# Altium PCB HD68_BNC_Breakout.PCBDOC (continued)
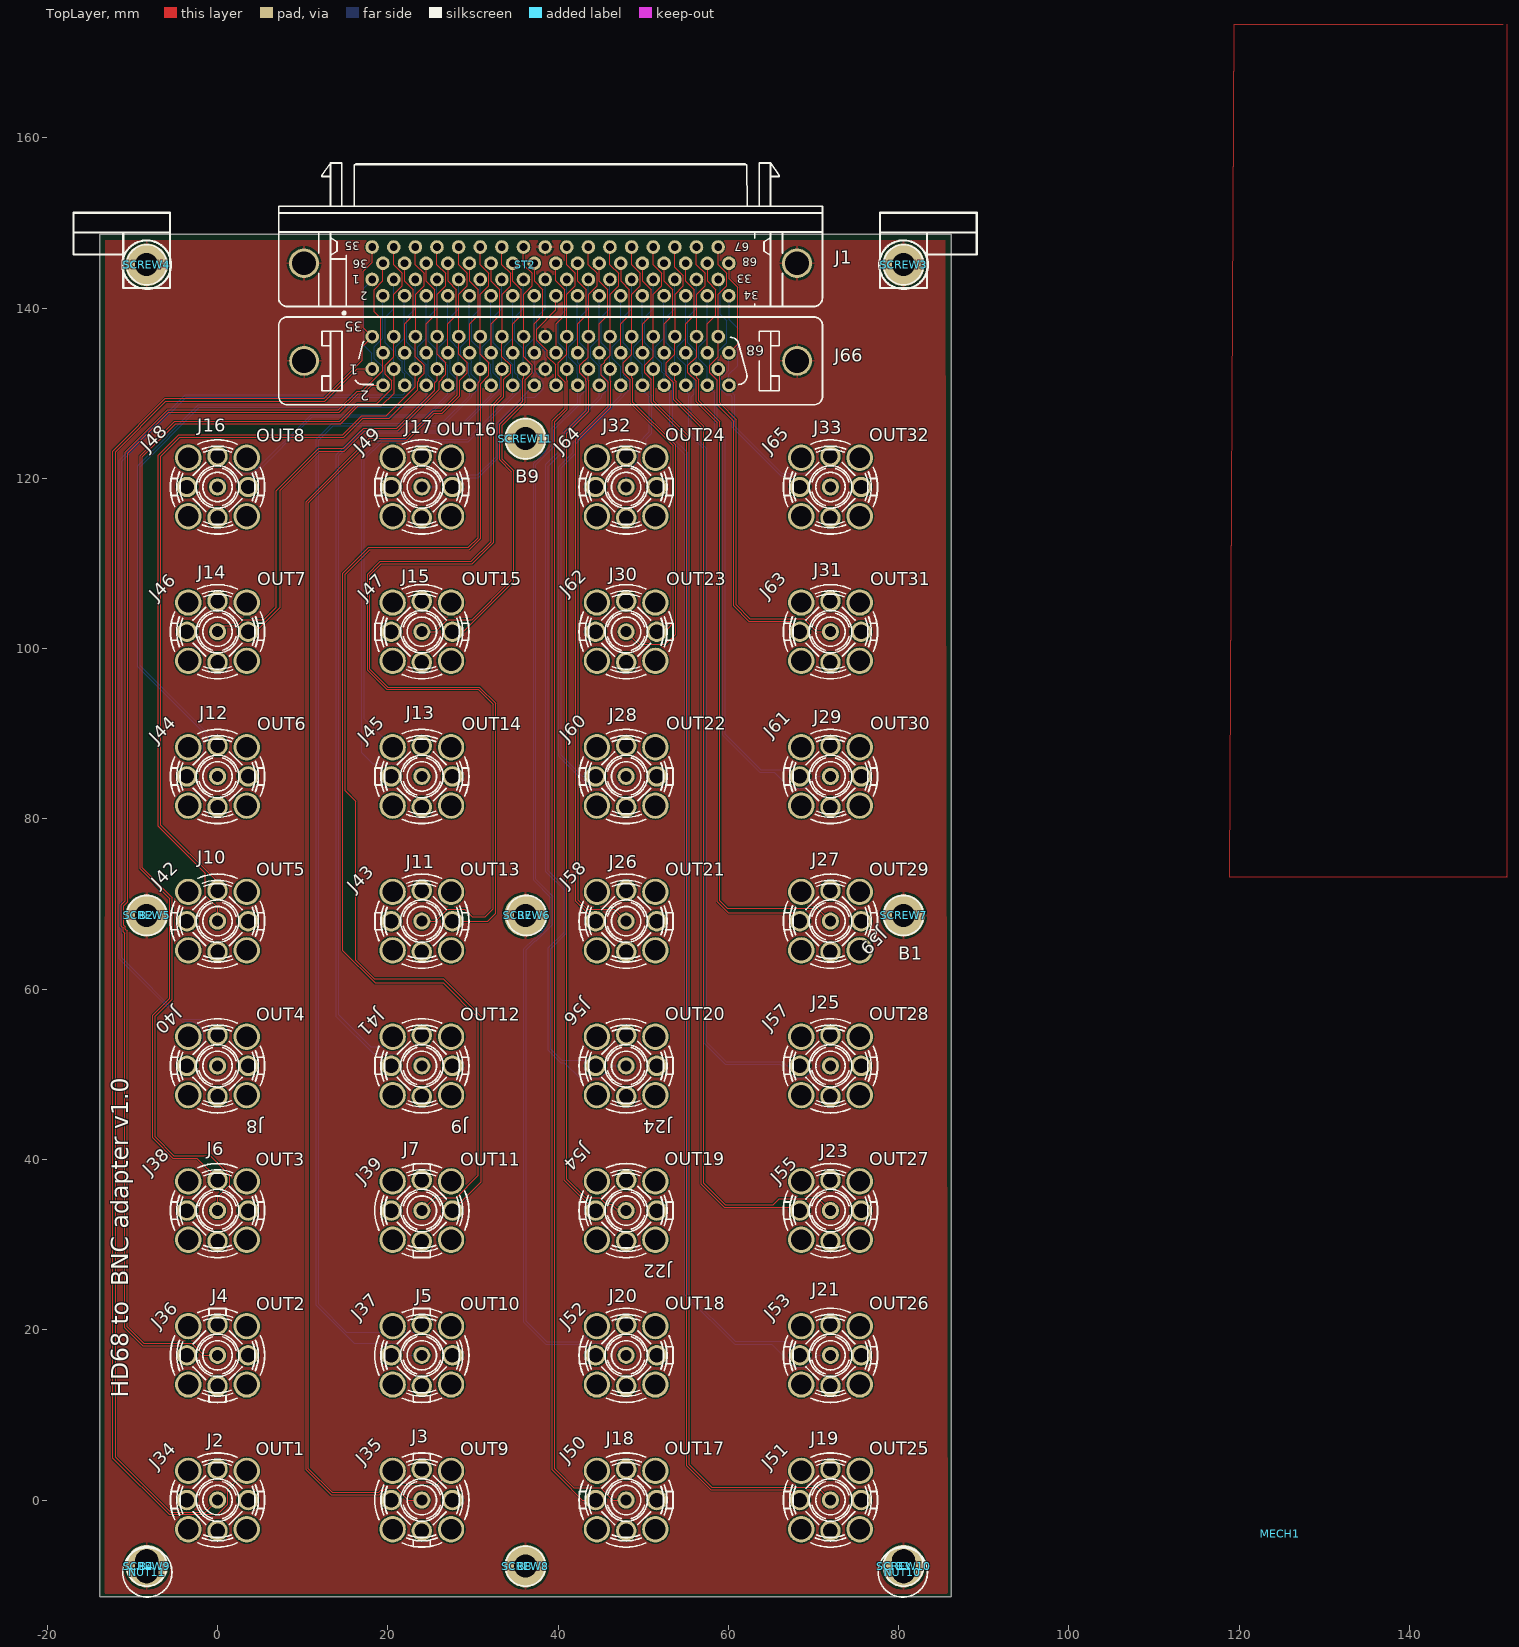
[diagram p0: TopLayer view]
## Footprints (in the part's own frame and the unit in brackets; to place one, negate y for a bottom-side part, rotate by r counter-clockwise, add the part's x,y. Pads: shape width x height; smd on the part's side, far side on the other; paste and mask are expansions set on the pad) (continued)
GENERIC_MECH [mm]
MTG270_500#1 [mm] "Plated Through Hole: Hole Dia.=2.7mm Pad Dia.=5.0mm"
  round 5 hole 2.7: 1(0,0)
MTG270_500#2 [mm] "Plated Through Hole: Hole Dia.=2.7mm Pad Dia.=5.0mm"
  round 5 hole 2.7 slot 4 at 90 deg: 1(0,0)
"SCHROFF_PANEL_3HP_8U - HD68_BNC" [mm] "Schroff PCB 3HP 4U Eurocard Panel Kit"
  round 5 hole 2.7: 0(0,0) 1(0,88.9)
  silkscreen extent -6.1,-8.6 2.75,97.5, body extent -22.6,-19.75 3,108.65, height 37.19
TYCO_5-1634506-1 [mm] "50 Ohm BNC PCB Receptacle (Jack), Post Terminal, 4 Legs"
  round 2 hole 1.3: 1(0,0)
  round 3.1 hole 2.4: 2(-3.43,3.43) 2(-3.43,-3.43) 2(3.43,3.43) 2(3.43,-3.43)
  silkscreen extent -5.53,-5.53 5.53,5.53, body extent -5.5,-5.5 5.5,5.5, height 16.7
TYCO_5749721-7 [mm] "AMPLIMITE .050 Series, 68 Positions Vertical Receptacle"
  round 1.6 hole 0.9: 1(20.955,0.952) 2(19.685,2.863) 3(18.415,0.952) 4(17.145,2.863) 5(15.875,0.952) 6(14.605,2.863) 7(13.335,0.952) 8(12.065,2.863) 9(10.795,0.952) 10(9.525,2.863) 11(8.255,0.952) 12(6.985,2.863) 13(5.715,0.952) 14(4.445,2.863) 15(3.175,0.952) 16(1.905,2.863) 17(0.635,0.952) 18(-0.635,2.863) 19(-1.905,0.952) 20(-3.175,2.863) 21(-4.445,0.952) 22(-5.715,2.863) 23(-6.985,0.952) 24(-8.255,2.863) 25(-9.525,0.952) 26(-10.795,2.862) 27(-12.065,0.952) 28(-13.335,2.862) 29(-14.605,0.952) 30(-15.875,2.862) 31(-17.145,0.952) 32(-18.415,2.862) 33(-19.685,0.952) 34(-20.955,2.862) 35(20.955,-2.858) 36(19.685,-0.947) 37(18.415,-2.858) 38(17.145,-0.947) 39(15.875,-2.858) 40(14.605,-0.947) 41(13.335,-2.858) 42(12.065,-0.947) 43(10.795,-2.858) 44(9.525,-0.947) 45(8.255,-2.858) 46(6.985,-0.947) 47(5.715,-2.858) 48(4.445,-0.947) 49(3.175,-2.858) 50(1.905,-0.947) 51(0.635,-2.857) 52(-0.635,-0.947) 53(-1.905,-2.857) 54(-3.175,-0.947) 55(-4.445,-2.857) 56(-5.715,-0.947) 57(-6.985,-2.857) 58(-8.255,-0.947) 59(-9.525,-2.857) 60(-10.795,-0.947) 61(-12.065,-2.857) 62(-13.335,-0.947) 63(-14.605,-2.857) 64(-15.875,-0.947) 65(-17.145,-2.857) 66(-18.415,-0.947) 67(-19.685,-2.857) 68(-20.955,-0.947)
  round 3.5 / inner round 3.5 / far side round 5.5 hole 2.8: 69(-28.956,0) 70(28.956,0)
  silkscreen extent -31.94,-5.16 31.94,5.16, body extent -31.94,-5.16 31.94,5.16, height 8.92
TYCO_5787082-7 [mm] "68 contacts, AMPLIMITE .050\", Right Angled Receptacle Series III"
  round 1.6 hole 0.9: 1(20.955,0.952) 2(19.685,2.857) 3(18.415,0.952) 4(17.145,2.857) 5(15.875,0.952) 6(14.605,2.857) 7(13.335,0.952) 8(12.065,2.857) 9(10.795,0.952) 10(9.525,2.857) 11(8.255,0.952) 12(6.985,2.857) 13(5.715,0.952) 14(4.445,2.857) 15(3.175,0.952) 16(1.905,2.857) 17(0.635,0.952) 18(-0.635,2.857) 19(-1.905,0.952) 20(-3.175,2.857) 21(-4.445,0.952) 22(-5.715,2.857) 23(-6.985,0.952) 24(-8.255,2.857) 25(-9.525,0.952) 26(-10.795,2.857) 27(-12.065,0.952) 28(-13.335,2.857) 29(-14.605,0.952) 30(-15.875,2.857) 31(-17.145,0.952) 32(-18.415,2.857) 33(-19.685,0.952) 34(-20.955,2.857) 35(20.955,-2.858) 36(19.685,-0.953) 37(18.415,-2.858) 38(17.145,-0.953) 39(15.875,-2.858) 40(14.605,-0.953) 41(13.335,-2.858) 42(12.065,-0.953) 43(10.795,-2.858) 44(9.525,-0.953) 45(8.255,-2.858) 46(6.985,-0.953) 47(5.715,-2.858) 48(4.445,-0.953) 49(3.175,-2.858) 50(1.905,-0.953) 51(0.635,-2.858) 52(-0.635,-0.953) 53(-1.905,-2.858) 54(-3.175,-0.953) 55(-4.445,-2.858) 56(-5.715,-0.953) 57(-6.985,-2.858) 58(-8.255,-0.953) 59(-9.525,-2.858) 60(-10.795,-0.953) 61(-12.065,-2.858) 62(-13.335,-0.953) 63(-14.605,-2.858) 64(-15.875,-0.953) 65(-17.145,-2.858) 66(-18.415,-0.953) 67(-19.685,-2.858) 68(-20.955,-0.953)
  round 3.5 hole 2.8: 69(-28.955,-0.953) 70(28.955,-0.953)
  silkscreen extent -31.94,-12.74 31.94,5.05, body extent -31.94,-12.74 31.94,4.13, height 9.5

## Part data
B1 B2 B3 B4 B7 B8 B9: library part PLATED_HOLE2.7_PAD5.0, "Single Terminal Socket", Author="CERN DEM JMW", Component Type="Standard (No BOM)", ComponentHeight=0mm, CreateDate=27.09.2011, Family="Plated Hole", HelpURL=Undefined, LatestRevisionDate=27.09.2011, Mounted=No, PackageDescription="Plated Through Hole: Hole Dia.=2.7mm Pad Dia.=5.0mm", Part Description="Plated Through Hole: Hole Dia.=2.7mm Pad Dia.=5.0mm", Part Number=PLATED_HOLE2.7_PAD5.0, Pin Count=1, Sense=No, SMD=No, Socket=No, Status=None
ENC1: "Hammond 1590DDF enclosure base part"
ENC2: library part Hammond_1590DDF_top_custom, "Hammond 1590DDF enclosure lid with custom cutouts"
J1: library part TYCO_5787082-7, "68 contacts, AMPLIMITE .050\", Right Angled Receptacle Series III", Manufacturer="TYCO ELECTRONICS", Manufacturer Part Number=5787082-7, Author="CERN DEM JLC", ComponentHeight=9.5mm, Component Type=Standard, CreateDate=13.03.2017, Family=D-SUB, HelpURL=\\cern.ch\dfs\Applications\Altium\Datasheets\TYCO_5787082-7.pdf, LatestRevisionDate=13.03.2017, Mounted=Yes, Part Description="68 contacts, AMPLIMITE .050\", Right Angled Receptacle Series III", Part Number=TYCO_5787082-7, Pin Count=70, PressFit=No, Sense=No, SMD=No, Socket=No, Status=None
J2 J3 J4 J5 J6 J7 J8 J9 J10 J11 J12 J13 J14 J15 J16 J17 J18 J19 J20 J21 J22 J23 J24 J25 J26 J27 J28 J29 J30 J31 J32 J33: library part TYCO_5-1634506-1, Manufacturer="TYCO ELECTRONICS", Manufacturer Part Number=5-1634506-1, Author="CERN DEM JLC", Component Type=Standard, ComponentHeight=16.7mm, CreateDate=14.02.2011, Family=BNC, HelpURL=\\cern.ch\dfs\Applications\Altium\Datasheets\TYCO_5-1634506-1.pdf, LatestRevisionDate=14.02.2011, Mounted=Yes, Part Description="50 Ohms BNC PCB Straight Socket", Part Number=TYCO_5-1634506-1, Pin Count=2, PressFit=No, Sense=No, SMD=No, Socket=No, Status=None
J34 J35 J36 J37 J38 J39 J40 J41 J42 J43 J44 J45 J46 J47 J48 J49 J50 J51 J52 J53 J54 J55 J56 J57 J58 J59 J60 J61 J62 J63 J64 J65: library part AMPHENOL_919-109J-51PX, Manufacturer=AMPHENOL, Manufacturer Part Number="919-109J-51PX (MCX6251B1-3GT30G-50)", Author="CERN DEM BC", Component Type=Standard, ComponentHeight=6.06mm, CreateDate=31.01.2019, Family=MCX, HelpURL=\\cern.ch\dfs\Applications\Altium\Datasheets\AMPHENOL_919-109J-51PX.pdf, LatestRevisionDate=31.01.2019, Mounted=Yes, Part Description="50 Ohm, RF Connector, MCX Straight PCB Receptacle Jack", Part Number=AMPHENOL_919-109J-51PX, Pin Count=5, PressFit=No, Sense=No, SMD=No, Socket=No, Status=None
J66: library part TYCO_5749721-7, "AMPLIMITE .050 Series, 68 Positions Vertical Receptacle", Manufacturer="TYCO ELECTRONICS", Manufacturer Part Number=5749721-7, Author="CERN DEM HF", Component Type=Standard, ComponentHeight=8.92mm, CreateDate=25.07.2022, Family=AMPLIMITE, HelpURL=\\cern.ch\dfs\Applications\Altium\Datasheets\TYCO_5749721-7.pdf, LatestRevisionDate=25.07.2022, Mounted=Yes, Part Description="AMPLIMITE .050 Series, 68 Positions Vertical Receptacle", Part Number=TYCO_5749721-7, Pin Count=70, PressFit=No, Sense=No, SMD=No, Socket=No, Status=None
MECH1: library part Generic_mechanical, "PCB Solder Side Cover, 3 U, 100 mm x 160 mm, 55°C Schroff insulating plate", Manufacturer=Schroff, Author=GK, Component Type=Standard, ComponentHeight=generic, CreateDate=28.10.2019, LatestRevisionDate=28.10.2019, Manufacturer Part Number=61000-007, Mounted=Yes, PackageDescription=generic, Part Description="PCB Solder Side Cover, 3 U, 100 mm x 160 mm, 55°C Schroff insulating plate", Part Number=61000-007, Pin Count=0, PressFit=No, Sense=No, SMD=No, Socket=No, Status=None
NUT1 NUT2 NUT3 NUT4 NUT5 NUT6 NUT7 NUT8 NUT9 NUT10 NUT11: library part BOSSARD_BN628-1241427_v, "Nut", Manufacturer=BOSSARD, Manufacturer Part Number="BN628 Art.1241427", Author="CERN DEM JMW", Component Type=Mechanical, ComponentHeight=2mm, CreateDate=04.12.2015, HelpURL=\\cern.ch\dfs\Applications\Altium\Datasheets\BOSSARD_BN628-1241427.pdf, LatestRevisionDate=04.12.2015, Mounted=Yes, PackageDescription="M2.5 Hexagon Nut ~0,8d, ISO 4032 - DIN 934, Stainless Steel A2", Part Description="M2.5 Hexagon Nut ~0,8d, ISO 4032 - DIN 934, Stainless Steel A2", Part Number=BOSSARD_BN628-1241427_v, Pin Count=0, PressFit=No, Sense=No, SMD=No, Socket=No, Status=None
SCREW1 SCREW2: library part BOSSARD_BN5687-3061587_v, "Screw", Manufacturer=BOSSARD, Manufacturer Part Number="BN5687 Art.3061587", Author="CERN DEM JLC", Component Type=Mechanical, ComponentHeight=5mm, CreateDate=22.08.2013, HelpURL=\\cern.ch\dfs\Applications\Altium\Datasheets\BOSSARD_BN5687-3061587.pdf, LatestRevisionDate=22.08.2013, Mounted=Yes, PackageDescription="M2.5 L=4mm Hexalobular Socket Pan Head Screw, Fully Threaded - Stainless Steel A2", Part Description="M2.5 L=4mm Hexalobular Socket Pan Head Screw, Fully Threaded, Stainless Steel A2", Part Number=BOSSARD_BN5687-3061587_v, Pin Count=0, PressFit=No, Sense=No, SMD=No, Socket=No, Status=None
SCREW3 SCREW4 SCREW5 SCREW6 SCREW7 SCREW8 SCREW9 SCREW10 SCREW11: library part Screw_M2.5x10_Countersunk_v, "Screw; 2.5x10; Head: countersunk; Philips; A1 steel", Manufacturer=BOSSARD, Manufacturer Part Number=B2.5X10/BN3333, Part Number=BOSSARD_B2.5X10/BN3333, Author=GK, Component Type=Mechanical, ComponentHeight=5.6mm, CreateDate=15/01/2013, HelpURL=\\cern.ch\dfs\Applications\Altium\Datasheets\BOSSARD_BN5687-3061605.pdf, LatestRevisionDate=15/01/2013, Mounted=Yes, PackageDescription="M2.5 L=10mm Countersunk Posidriv Screw, Fully Threaded - Steel zinc", Part Description="M2.5 L=10mm  countersunk; Pozidriv Pan Head Screw, Fully Threaded, zinc Steel", Pin Count=0, PressFit=No, Sense=No, SMD=No, Socket=No, Status=None
ST2: "Schroff 8HP 3U EUROCARD Panel", Manufacturer=Schroff, Manufacturer Part Number=20849107

## Nets (pads, with @x,y where several pads share a name; then routed paths per layer and width w, separated by ;. In a path a pad name is that pad's centre, name@x,y a point inside that pad or via, vN(x,y) a via of type N, cw(c..) or ccw(c..) an arc to the next point about the centre after c; other vN are vias at no path point)
DAC_OUT_N1: J1.35 J2.2 J34.2 J66.35 | length 188.3
  TopLayer w0.127: J2.2@3.43,3.43 1.216,1.216 1.216,-0.504 0.024,-1.695 -5.697,-1.695 -12.305,4.913 -12.305,123.215 -6.12,129.4 12.53,129.4 17,133.87 17,135.5 J66.35 17.144,137.696 17.144,144.362 18.16,145.378 J1.35
DAC_OUT_N2: J1.36 J4.2 J36.2 J66.36 | length 160.7
  TopLayer w0.127: J36.2@-2.931,16.931 -3.111,16.931 -4.317,18.137 -8.807,18.137 -10.904,20.234 -10.904,66.559 -11.092,66.747 -11.092,67.208 -11.313,67.429 -11.313,69.911 -10.854,70.37 -10.854,120.741 -10.854,122.466 -10.854,123.066 -5.866,128.054 -5.266,128.054 -3.541,128.054 14.209,128.054 16.409,130.254 17.001,130.254 19.415,132.668 19.415,134.735 J66.36 ; J66.36@19.186,134.186 19.186,138.835 18.414,139.607 18.414,142.192 19.43,143.208 J1.36
DAC_OUT_N3: J1.37 J6.2 J38.2 J66.37 | length 143.2
  TopLayer w0.127: J38.2@0,37.592 0,37.746 -2.425,40.171 -5.241,40.171 -7.607,42.537 -7.607,56.918 -5.6,58.925 -5.6,70.63 -9.104,74.134 -9.104,121.116 -9.104,121.991 -9.104,122.641 -5.045,126.7 -4.395,126.7 -3.52,126.7 14.33,126.7 16.434,128.804 18.731,128.804 20.456,130.529 20.456,131.495 19.694,132.257 19.694,133.281 20.71,134.297 J66.37 20.71,141.647 21.716,142.653 21.716,144.097 20.7,145.113 J1.37
DAC_OUT_N4: J1.38 J8.2 J40.2 J66.38 | length 127.1
  TopLayer w0.127: J1.38 21.995,145.255 21.995,143.183 22.986,142.192 22.986,139.192 21.98,138.186 J66.38
  BottomLayer w0.127: J40.2@0,54.592 -1.908,56.5 -4.07,56.5 -11.25,63.68 -11.25,122 -3.7,129.55 22.017,129.55 22.996,130.529 22.996,131.677 22.005,132.668 22.005,134.735 J66.38
DAC_OUT_N5: J1.39 J10.2 J42.2 J66.39 | length 105.5
  TopLayer w0.127: J42.2@0,71.592 0,72.6 -6.675,79.275 -6.675,122.6 -4.429,124.846 14.821,124.846 17.046,127.071 20.171,127.071 23.504,130.404 23.504,131.371 23.625,131.492 23.625,131.7 24.266,132.341 24.266,133.281 23.25,134.297 J66.39 23.265,136.685 23.265,141.662 24.256,142.653 24.256,144.097 23.24,145.113 J1.39
DAC_OUT_N6: J1.40 J12.2 J44.2 J66.40 | length 91.3
  TopLayer w0.127: J1.40 24.535,145.255 24.535,143.183 25.526,142.192 25.526,139.192 24.52,138.186 J66.40 J66.40@24.545,134.735
  BottomLayer w0.127: J44.2@0,88.592 -1.385,89.977 -1.385,90.28 -9.104,98 -9.104,121.396 -2.123,128.377 23.885,128.377 24.775,129.267 24.775,129.575 25.536,130.336 25.536,131.371 24.774,132.133 24.774,134.506 J66.40
DAC_OUT_N7: J1.41 J14.2 J46.2 J66.41 | length 59.6
  TopLayer w0.127: J46.2@4.525,102.05 7.35,104.875 7.35,118.63 11.941,123.221 14.896,123.221 17.3,125.625 21.175,125.625 26.044,130.494 26.044,131.371 26.381,131.707 26.381,131.831 26.806,132.257 26.806,133.577 25.79,134.593 J66.41 25.805,136.685 25.805,141.662 26.796,142.653 26.796,144.097 25.78,145.113 J1.41
DAC_OUT_N8: J1.42 J16.2 J48.2 J66.42 | length 45.7
  TopLayer w0.127: J1.42 27.075,145.255 27.075,143.183 28.066,142.192 28.066,139.192 27.06,138.186 J66.42
  BottomLayer w0.127: J48.2@3.592,119 3.592,119.615 4.115,120.138 4.115,120.19 11.15,127.225 24.772,127.225 28.076,130.529 28.076,131.677 27.314,132.439 27.314,134.506 J66.42
DAC_OUT_N9: J1.43 J3.2 J35.2 J66.43 | length 174.5
  TopLayer w0.127: J3.2@27.43,3.43 25.695,1.695 19.706,1.695 18.91,0.9 13.45,0.9 10.675,3.675 10.675,117.175 17.921,124.421 22.216,124.421 25.476,127.681 26.406,127.681 28.429,129.704 28.429,131.523 29.346,132.439 29.346,133.577 28.33,134.593 J66.43 28.345,136.685 28.345,141.662 29.336,142.653 29.336,144.097 28.32,145.113 J1.43
DAC_OUT_N10: J1.44 J5.2 J37.2 J66.44 | length 152.7
  TopLayer w0.127: J1.44 29.615,145.255 29.615,143.183 30.606,142.192 30.606,139.192 29.6,138.186 J66.44
  BottomLayer w0.127: J37.2@24,20.592 23.108,19.7 20.57,19.7 15.15,19.7 11.875,22.975 11.875,124.475 13.596,126.196 26.466,126.196 29.879,129.609 29.879,129.793 30.616,130.529 30.616,131.406 29.8,132.222 29.8,133.595 J66.44
DAC_OUT_N11: J1.45 J7.2 J39.2 J66.45 | length 141
  TopLayer w0.127: J39.2@27.592,34 30.954,37.362 30.954,56.796 26.5,61.25 18.395,61.25 16.25,63.395 16.25,82.075 15,83.325 15,108.763 17.882,111.646 29.591,111.646 30.895,112.95 30.895,131.142 31.886,132.133 31.886,133.577 30.87,134.593 J66.45 30.885,136.685 30.885,141.662 31.876,142.653 31.876,144.097 30.86,145.113 J1.45
DAC_OUT_N12: J1.46 J9.2 J41.2 J66.46 | length 112.2
  TopLayer w0.127: J1.46 32.155,145.255 32.155,143.183 33.146,142.192 33.146,139.192 32.14,138.186 J66.46
  BottomLayer w0.127: J9.2@20.57,54.43 19.39,53.25 18,53.25 14.25,57 14.25,84.075 14.25,122.675 16.921,125.346 28.046,125.346 33.156,130.456 33.156,131.677 32.394,132.439 32.394,134.506 J66.46
DAC_OUT_N13: J1.47 J11.2 J43.2 J66.47 | length 110.5
  TopLayer w0.127: J43.2@27.592,68 31.75,68 32.654,68.904 32.654,93.591 30.745,95.5 20,95.5 17.9,97.6 17.9,108.65 19.221,109.971 29.916,109.971 32.45,112.505 32.45,128.425 33.625,129.6 33.625,131.638 34.426,132.439 34.426,133.281 33.41,134.297 J66.47 33.425,136.685 33.425,141.662 34.416,142.653 34.416,144.097 33.4,145.113 J1.47
DAC_OUT_N14: J1.48 J13.2 J45.2 J66.48 | length 73.1
  TopLayer w0.127: J1.48 34.695,145.255 34.695,143.183 35.686,142.192 35.686,139.192 34.68,138.186 J66.48
  BottomLayer w0.127: J13.2@20.57,88.43 17.25,91.75 17.25,122.25 19.325,124.325 29.475,124.325 35.225,130.075 35.242,130.075 35.696,130.529 35.696,131.406 35.271,131.831 35.271,132.103 34.934,132.439 34.934,134.506 J66.48
DAC_OUT_N15: J1.49 J15.2 J47.2 J66.49 | length 52.2
  TopLayer w0.127: J47.2@27.592,102 27.68,102.088 28.983,102.088 34.825,107.93 34.825,120.9 33.454,122.271 33.454,126.254 36.125,128.925 36.125,131.598 36.966,132.439 36.966,133.281 35.95,134.297 J66.49 35.965,136.685 35.965,141.662 36.956,142.653 36.956,144.097 35.94,145.113 J1.49
DAC_OUT_N16: J1.50 J17.2 J49.2 J66.50 | length 33.7
  TopLayer w0.127: J1.50 37.235,145.255 37.235,143.183 38.226,142.192 38.226,139.192 37.195,138.161 37.195,136.133 37.22,136.108 J66.50
  BottomLayer w0.127: J49.2@27.592,119 28.667,120.075 30.625,120.075 33,122.45 33,126.3 36.232,129.532 37.239,129.532 38.236,130.529 38.236,131.371 37.811,131.796 37.811,132.103 37.245,132.668 37.245,134.735 J66.50
DAC_OUT_N17: J1.53 J18.2 J50.2 J66.53 | length 152.4
  TopLayer w0.127: J1.53 41.02,145.113 42.036,144.097 42.036,142.653 41.045,141.662 41.045,136.685 J66.53 41.03,134.593 40.014,133.577 40.014,132.133 40.825,131.322 40.825,128.275 39.321,126.771 39.321,3.534 40.252,2.602 42.855,0 J50.2@44.408,0
DAC_OUT_N18: J1.54 J20.2 J52.2 J66.54 | length 140.2
  TopLayer w0.127: J1.54 42.315,145.255 42.315,143.183 43.306,142.192 43.306,139.192 42.3,138.186 J66.54
  BottomLayer w0.127: J66.54 42.3,133.595 42.554,133.341 42.554,132.439 43.316,131.677 43.316,130.441 42.579,129.704 42.579,128.784 39.5,125.705 39.5,123.725 37.4,121.625 37.4,72.9 39.349,70.951 39.349,67.613 37.411,65.675 37.295,65.675 36.25,64.63 36.25,21 38.65,18.6 42.75,18.6 44.57,20.42 J20.2@44.57,20.43
DAC_OUT_N19: J1.55 J22.2 J54.2 J66.55 | length 117.4
  TopLayer w0.127: J1.55 43.56,145.113 44.576,144.097 44.576,142.653 43.585,141.662 43.585,136.685 J66.55 43.57,134.245 43.201,133.876 43.149,133.876 42.554,133.281 42.554,132.397 43.241,131.71 43.241,131.446 43.316,131.371 43.316,127.991 40.75,125.425 40.75,37.555 44.305,34 J54.2@44.408,34
DAC_OUT_N20: J1.56 J24.2 J56.2 J66.56 | length 104.2
  TopLayer w0.127: J1.56 44.855,145.255 44.855,143.183 45.846,142.192 45.846,139.192 44.84,138.186 J66.56
  BottomLayer w0.127: J56.2@44.408,51 43.793,51 43.143,51.65 40.45,51.65 39.15,52.95 39.15,64.741 40.989,66.58 40.989,71.786 38.85,73.925 38.85,121.425 40.75,123.325 40.75,125.19 45.129,129.569 45.129,129.779 45.856,130.506 45.856,131.495 45.094,132.257 45.094,133.301 44.84,133.555 J66.56
DAC_OUT_N21: J1.57 J26.2 J58.2 J66.57 | length 83.3
  TopLayer w0.127: J58.2@44.408,68 42.952,69.456 42.952,69.477 42.096,70.334 42.096,124.671 45.9,128.475 45.9,131.327 45.094,132.133 45.094,133.281 45.475,133.662 45.475,133.85 46.11,134.485 J66.57 46.125,136.685 46.125,141.662 47.116,142.653 47.116,144.097 46.1,145.113 J1.57
DAC_OUT_N22: J1.58 J28.2 J60.2 J66.58 | length 67.5
  TopLayer w0.127: J1.58 47.395,145.255 47.395,143.183 48.386,142.192 48.386,139.192 47.38,138.186 J66.58
  BottomLayer w0.127: J60.2@44.408,85 42.825,85 40.354,87.471 40.354,121.234 42.079,122.959 42.079,124.093 47.725,129.739 47.725,129.8 48.396,130.471 48.396,131.371 47.801,131.966 47.799,131.966 47.725,132.04 47.725,132.348 47.634,132.439 47.634,134.506 J66.58
DAC_OUT_N23: J1.59 J30.2 J62.2 J66.59 | length 50.2
  TopLayer w0.127: J1.59 48.64,145.113 49.656,144.097 49.656,142.653 48.665,141.662 48.665,136.685 J66.59 48.65,134.593 47.634,133.577 47.634,132.439 48.5,131.573 48.5,128.855 53.525,123.83 53.525,103.025 52.935,102.435 52.027,102.435 J62.2@51.592,102
DAC_OUT_N24: J1.60 J32.2 J64.2 J66.60 | length 24.9
  TopLayer w0.127: J1.60 49.935,145.255 49.935,143.183 50.926,142.192 50.926,139.192 49.92,138.186 J66.60
  BottomLayer w0.127: J66.60 50.174,134.506 50.174,132.439 50.825,131.788 50.825,131.412 cw(c49.92,130.95) 50.825,130.488 50.825,129.92 51.004,129.741 51.004,125.304 50.35,124.65 50.35,123.51 J32.2@51.43,122.43
DAC_OUT_N25: J1.61 J19.2 J51.2 J66.61 | length 161.4
  TopLayer w0.127: J1.61 51.18,145.113 52.196,144.097 52.196,142.653 51.205,141.662 51.205,136.685 J66.61 51.19,134.297 50.174,133.281 50.174,132.439 50.936,131.677 50.936,128.964 55.125,124.775 55.125,4.05 57.954,1.221 67.187,1.221 J51.2@68.408,0
DAC_OUT_N26: J1.62 J21.2 J53.2 J66.62 | length 139.2
  TopLayer w0.127: J1.62 52.475,145.255 52.475,143.183 53.466,142.192 53.466,139.192 52.46,138.186 J66.62
  BottomLayer w0.127: J66.62 52.485,134.735 52.485,132.668 53.476,131.677 53.476,124.749 55.23,122.995 55.23,24.2 60.805,18.625 66.783,18.625 J53.2@68.408,17
DAC_OUT_N27: J1.63 J23.2 J55.2 J66.63 | length 125.9
  TopLayer w0.127: J1.63 53.72,144.812 54.736,143.796 54.736,142.653 53.745,141.662 53.745,136.685 J66.63 53.73,134.593 52.714,133.577 52.714,132.133 53.575,131.272 53.575,129.25 56.825,126 56.825,37.105 59.509,34.421 67.987,34.421 J55.2@68.408,34
DAC_OUT_N28: J1.64 J25.2 J57.2 J66.64 | length 105.8
  TopLayer w0.127: J1.64 55.015,145.255 55.015,143.183 56.006,142.192 56.006,139.192 55,138.186 J66.64
  BottomLayer w0.127: J66.64 55.254,134.506 55.254,132.439 56.016,131.677 56.016,129.941 55.65,129.575 55.65,125.35 57.479,123.521 57.479,53.771 59.775,51.475 66.409,51.475 66.884,51 J57.2@68.408,51
DAC_OUT_N29: J1.65 J27.2 J59.2 J66.65 | length 90.3
  TopLayer w0.127: J1.65 56.26,145.113 57.276,144.097 57.276,142.653 56.285,141.662 56.285,136.685 J66.65 56.27,134.297 55.254,133.281 55.254,132.439 56.225,131.468 56.225,129.03 58.725,126.53 58.725,70.28 60.005,69 67.5,69 68.408,68.092 J59.2@68.408,68
DAC_OUT_N30: J1.66 J29.2 J61.2 J66.66 | length 67.9
  TopLayer w0.127: J1.66 57.555,145.255 57.555,143.183 58.546,142.192 58.546,139.192 57.54,138.186 J66.66
  BottomLayer w0.127: J66.66 57.794,134.506 57.794,132.439 58.7,131.533 58.7,125.8 59.625,124.875 59.625,89.95 63.8,85.775 67.216,85.775 67.991,85 J61.2@68.408,85
DAC_OUT_N31: J1.67 J31.2 J63.2 J66.67 | length 53.6
  TopLayer w0.127: J1.67 58.8,145.113 59.816,144.097 59.816,142.653 58.825,141.662 58.825,136.685 J66.67 58.81,134.297 57.794,133.281 57.794,132.439 58.7,131.533 58.7,128.656 60.625,126.731 60.625,105.026 62.401,103.25 67.158,103.25 J63.2@68.408,102
DAC_OUT_N32: J1.68 J33.2 J65.2 J66.68 | length 32.3
  TopLayer w0.127: J1.68 60.095,145.255 60.095,143.448 61.086,142.457 61.086,135.766 J66.68
  BottomLayer w0.127: J66.68 60.08,132.693 59.064,131.677 59.064,130.529 59.743,129.85 60.301,129.85 60.376,129.776 60.376,129.625 60.45,129.551 60.45,126.03 66.134,120.346 67.062,120.346 J65.2@68.408,119
DAC_OUT_P1: J1.1 J2.1 J34.1 J66.1 | length 178.9
  TopLayer w0.127: J34.1 -1.416,-1.416 -5.509,-1.416 -11.975,5.05 -11.975,123.15 -6.055,129.07 12.595,129.07 16.385,132.86 J66.1
  BottomLayer w0.127: J1.1 17.154,142.369 17.154,135.678 18.145,134.687 18.145,132.88 J66.1@18.17,132.855
DAC_OUT_P2: J1.2 J4.1 J36.1 J66.2 | length 159.7
  TopLayer w0.127: J36.1 -1.59,17 -3.006,18.416 -8.691,18.416 -10.625,20.35 -10.625,66.875 -10.813,67.063 -10.813,67.324 -11.034,67.545 -11.034,69.795 -10.575,70.254 -10.575,122.95 -5.75,127.775 14.325,127.775 16.525,129.975 17.117,129.975 18.092,130.95 J66.2
  BottomLayer w0.127: J1.2@19.43,141.465 19.415,141.45 19.415,136.473 18.424,135.482 18.424,134.076 19.44,133.06 J66.2
DAC_OUT_P3: J1.3 J6.1 J38.1 J66.3 | length 144.4
  TopLayer w0.127: J6.1 0,35.59 1.416,37.006 1.416,38.178 -0.856,40.45 -5.125,40.45 -7.327,42.652 -7.327,56.802 -5.321,58.809 -5.321,70.746 -8.825,74.25 -8.825,122.525 -4.929,126.421 14.446,126.421 16.55,128.525 19.245,128.525 20.735,130.015 20.735,132.835 J66.3
  BottomLayer w0.127: J1.3 20.7,139.949 19.694,138.943 19.694,135.942 20.685,134.952 20.685,132.88 J66.3@20.71,132.855
DAC_OUT_P4: J1.4 J8.1 J40.1 J66.4 | length 126
  TopLayer w0.127: J66.4@21.864,130.834 J66.4
  BottomLayer w0.127: J40.1 -1.664,52.664 -1.664,55.161 -2.699,56.196 -4.161,56.196 -11.529,63.564 -11.529,121.091 -11.529,122.116 -3.816,129.829 -2.791,129.829 -1.016,129.829 21.804,129.829 21.98,130.005 J66.4 21.98,132.298 21.726,132.552 21.726,133.702 21.616,133.811 cw(c21.98,134.76) 21.031,134.396 20.964,134.464 20.964,135.482 21.955,136.473 21.955,141.45 J1.4@21.97,141.465
DAC_OUT_P5: J1.5 J10.1 J42.1 J66.5 | length 104.6
  TopLayer w0.127: J42.1 0,69.59 -1.416,71.006 -1.416,73.621 -6.954,79.159 -6.954,122.191 -6.954,122.716 -4.545,125.125 -4.02,125.125 14.705,125.125 16.93,127.35 19.817,127.35 23.225,130.758 23.225,132.835 J66.5
  BottomLayer w0.127: J1.5 23.24,139.949 22.234,138.943 22.234,136.016 23.225,135.025 23.225,132.88 J66.5@23.25,132.855
DAC_OUT_P6: J1.6 J12.1 J44.1 J66.6 | length 90.5
  BottomLayer w0.127: J44.1 -1.664,86.664 -1.664,90.164 -9.384,97.884 -9.384,121.511 -2.239,128.656 23.769,128.656 24.496,129.383 24.496,129.691 24.52,129.715 24.52,131.992 24.495,132.017 24.495,133.348 23.504,134.339 23.504,135.482 24.495,136.473 24.495,141.45 J1.6@24.51,141.465
DAC_OUT_P7: J1.7 J14.1 J46.1 J66.7 | length 59.3
  TopLayer w0.127: J46.1 0.705,102.705 2.295,102.705 3.006,103.416 5.441,103.416 6.9,104.875 6.9,118.575 11.875,123.55 14.83,123.55 17.184,125.904 21.059,125.904 25.536,130.381 25.536,131.258 25.79,131.512 J66.7
  BottomLayer w0.127: J1.7 25.78,139.949 24.774,138.943 24.774,136.13 25.765,135.14 25.765,132.88 J66.7@25.79,132.855
DAC_OUT_P8: J1.8 J16.1 J48.1 J66.8 | length 44
  BottomLayer w0.127: J48.1 1.664,120.664 4.161,120.664 11.002,127.504 24.656,127.504 27.06,129.908 J66.8 27.06,132.298 27.035,132.323 27.035,133.215 26.044,134.206 26.044,135.482 27.035,136.473 27.035,141.45 J1.8@27.05,141.465
DAC_OUT_P9: J1.9 J3.1 J35.1 J66.9 | length 166.9
  TopLayer w0.127: J35.1 22.41,0 20.994,1.416 19.822,1.416 19.026,0.621 13.334,0.621 10.396,3.559 10.396,117.291 17.805,124.7 22.1,124.7 25.36,127.96 26.29,127.96 28.15,129.82 28.15,132.68 J66.9
  BottomLayer w0.127: J1.9 28.32,139.949 27.314,138.943 27.314,136.219 28.305,135.228 28.305,132.88 J66.9@28.33,132.855
DAC_OUT_P10: J1.10 J5.1 J37.1 J66.10 | length 149.3
  BottomLayer w0.127: J5.1 22.41,17 20.994,18.416 16.039,18.416 11.596,22.859 11.596,116.491 11.596,124.591 13.48,126.475 21.58,126.475 26.35,126.475 29.6,129.725 J66.10 29.6,132.027 29.521,132.106 29.521,133.479 29.152,133.848 cw(c29.6,134.76) 28.688,134.312 28.584,134.416 28.584,135.482 29.575,136.473 29.575,141.45 J1.10@29.59,141.465
DAC_OUT_P11: J1.11 J7.1 J39.1 J66.11 | length 139.3
  TopLayer w0.127: J7.1 25.519,35.519 28.016,35.519 30.638,38.14 30.638,56.612 26.5,60.75 18.5,60.75 14.721,64.529 14.721,108.879 17.767,111.925 29.475,111.925 30.616,113.066 30.616,131.258 30.87,131.512 J66.11
  BottomLayer w0.127: J1.11 30.86,139.949 29.854,138.943 29.854,136.146 30.845,135.155 30.845,132.88 J66.11@30.87,132.855
DAC_OUT_P12: J1.12 J9.1 J41.1 J66.12 | length 112
  BottomLayer w0.127: J41.1 22.584,52.416 18.334,52.416 13.971,56.779 13.971,122.791 16.805,125.625 27.93,125.625 32.14,129.835 J66.12 32.14,132.298 32.115,132.323 32.115,133.349 31.124,134.339 31.124,135.482 32.115,136.473 32.115,141.45 J1.12@32.13,141.465
DAC_OUT_P13: J1.13 J11.1 J43.1 J66.13 | length 109.7
  TopLayer w0.127: J43.1 25.59,68 27.006,69.416 29.026,69.416 29.941,68.5 31.425,68.5 32.375,69.45 32.375,93.475 30.629,95.221 19.884,95.221 17.621,97.484 17.621,98.232 17.621,108.766 19.105,110.25 29.8,110.25 32.14,112.59 32.14,128.51 33.346,129.716 33.346,132.796 J66.13
  BottomLayer w0.127: J1.13 33.4,139.949 32.394,138.943 32.394,135.942 33.385,134.952 33.385,132.88 J66.13@33.41,132.855
DAC_OUT_P14: J1.14 J13.1 J45.1 J66.14 | length 76
  BottomLayer w0.127: J45.1 22.5,86.5 18.25,86.5 16.971,87.779 16.971,122.366 19.209,124.604 29.359,124.604 34.68,129.925 J66.14 34.68,132.298 34.655,132.323 34.655,133.345 33.664,134.336 33.664,135.482 34.655,136.473 34.655,141.45 J1.14@34.67,141.465
DAC_OUT_P15: J1.15 J15.1 J47.1 J66.15 | length 50.9
  TopLayer w0.127: J47.1 25.59,102 27.006,103.416 29.916,103.416 34.525,108.025 34.525,120.805 33.15,122.18 33.15,126.35 35.846,129.046 35.846,131.714 35.95,131.818 J66.15
  BottomLayer w0.127: J1.15 35.94,139.949 34.934,138.943 34.934,136.219 35.925,135.228 35.925,132.88 J66.15@35.95,132.855
DAC_OUT_P16: J1.16 J17.1 J49.1 J66.16 | length 31.8
  BottomLayer w0.127: J49.1 25.59,119 27.006,120.416 30.571,120.416 32.721,122.566 32.721,126.451 J66.16 37.22,132.298 36.966,132.552 36.966,133.276 36.204,134.037 36.204,135.482 37.195,136.473 37.195,141.45 J1.16@37.21,141.465
DAC_OUT_P17: J1.19 J18.1 J50.1 J66.19 | length 151.1
  TopLayer w0.127: J66.19 41.03,131.512 41.104,131.437 41.104,128.159 39.6,126.655 39.6,3.65 41.834,1.416 44.994,1.416 46.41,0 J50.1
  BottomLayer w0.127: J1.19 41.02,139.948 40.014,138.943 40.014,135.942 41.005,134.952 41.005,132.88 J66.19@41.03,132.855
DAC_OUT_P18: J1.20 J20.1 J52.1 J66.20 | length 139.4
  BottomLayer w0.127: J1.20@42.29,141.465 42.275,141.45 42.275,136.473 41.284,135.482 41.284,134.216 42.275,133.225 42.275,132.323 42.3,132.298 J66.20 42.3,128.9 39.221,125.821 39.221,123.88 37.121,121.78 37.121,72.784 39.07,70.835 39.07,67.729 37.295,65.954 37.179,65.954 35.971,64.746 35.971,20.884 38.534,18.321 43.726,18.321 43.821,18.416 46.584,18.416 J52.1
DAC_OUT_P19: J1.21 J22.1 J54.1 J66.21 | length 116.1
  TopLayer w0.127: J66.21 43.57,131.512 43.595,131.487 43.595,127.875 41.029,125.309 41.029,37.671 43.2,35.5 44.91,35.5 45.66,34.75 46.25,34.75 46.81,34.19 47.81,34.19 J54.1
  BottomLayer w0.127: J1.21 43.56,139.948 42.554,138.943 42.554,135.942 43.545,134.952 43.545,132.88 J66.21@43.57,132.855
DAC_OUT_P20: J1.22 J24.1 J56.1 J66.22 | length 104.8
  BottomLayer w0.127: J1.22@44.83,141.465 44.815,141.45 44.815,136.473 43.824,135.482 43.824,134.176 44.815,133.185 44.815,132.141 44.84,132.116 J66.22 44.84,129.675 40.471,125.306 40.471,123.571 38.561,121.661 38.561,73.805 40.7,71.666 40.7,66.7 38.861,64.861 38.861,52.844 40.344,51.361 40.75,51.361 42.526,49.584 44.994,49.584 46.41,51 J56.1
DAC_OUT_P21: J1.23 J26.1 J58.1 J66.23 | length 82
  TopLayer w0.127: J66.23 46.11,131.512 46.179,131.442 46.179,128.359 42.375,124.555 42.375,70.45 43.409,69.416 46.584,69.416 J58.1
  BottomLayer w0.127: J1.23 46.1,139.948 45.094,138.943 45.094,135.942 46.085,134.952 46.085,132.88 J66.23@46.11,132.855
DAC_OUT_P22: J1.24 J28.1 J60.1 J66.24 | length 68.2
  BottomLayer w0.127: J1.24@47.37,141.465 47.355,141.45 47.355,136.473 46.364,135.482 46.364,134.136 47.355,133.145 47.355,132.323 47.38,132.298 J66.24 47.446,130.884 47.446,129.855 41.8,124.209 41.8,123.075 40.075,121.35 40.075,87.355 41.527,85.902 41.527,85.878 43.906,83.5 46.5,83.5 J60.1
DAC_OUT_P23: J1.25 J30.1 J62.1 J66.25 | length 51.6
  TopLayer w0.127: J62.1 49.5,100.5 52.597,100.5 53.804,101.707 53.804,123.946 48.779,128.971 48.779,131.689 48.65,131.818 J66.25
  BottomLayer w0.127: J1.25 48.64,139.948 47.634,138.943 47.634,135.942 48.625,134.952 48.625,132.88 J66.25@48.65,132.855
DAC_OUT_P24: J1.26 J32.1 J64.1 J66.26 | length 24.8
  BottomLayer w0.127: J64.1 48,120.59 49.416,122.006 49.416,124.166 50.725,125.475 50.725,129.625 50.202,130.148 50.202,130.668 J66.26 49.92,132.298 49.895,132.323 49.895,133.355 49.275,133.975 cw(c49.92,134.76) 49.135,134.115 48.904,134.346 48.904,135.482 49.895,136.473 49.895,141.45 J1.26@49.91,141.465
DAC_OUT_P25: J1.27 J19.1 J51.1 J66.27 | length 160.1
  TopLayer w0.127: J66.27 51.215,132.835 51.215,129.085 55.408,124.892 55.408,4.167 58.075,1.5 70.5,1.5 J51.1
  BottomLayer w0.127: J1.27 51.18,139.948 50.174,138.943 50.174,135.942 51.165,134.952 51.165,132.88 J66.27@51.19,132.855
DAC_OUT_P26: J1.28 J21.1 J53.1 J66.28 | length 140.4
  BottomLayer w0.127: J1.28@52.45,141.465 52.435,141.45 52.435,136.473 51.444,135.482 51.444,134.306 52.206,133.544 52.206,132.552 52.46,132.298 J66.28 52.46,130.92 53.146,130.235 53.146,124.612 54.9,122.858 54.9,24.135 60.74,18.295 65.111,18.295 67.821,15.584 68.994,15.584 70.41,17 J53.1
DAC_OUT_P27: J1.29 J23.1 J55.1 J66.29 | length 125.2
  TopLayer w0.127: J66.29 53.73,131.512 53.875,131.367 53.875,129.345 57.104,126.116 57.104,37.221 59.625,34.7 65.25,34.7 65.966,35.416 70.584,35.416 J55.1
  BottomLayer w0.127: J1.29 53.72,139.948 52.714,138.943 52.714,135.942 53.705,134.952 53.705,132.88 J66.29@53.73,132.855
DAC_OUT_P28: J1.30 J25.1 J57.1 J66.30 | length 106.6
  BottomLayer w0.127: J1.30@54.99,141.465 54.975,141.45 54.975,136.473 53.984,135.482 53.984,134.266 54.975,133.275 54.975,132.323 55,132.298 J66.30 55.24,130.71 55.24,129.96 55.387,129.813 55.387,129.707 55.371,129.691 55.371,125.234 57.2,123.405 57.2,53.655 59.659,51.196 66.11,51.196 67.721,49.584 68.994,49.584 70.41,51 J57.1
DAC_OUT_P29: J1.31 J27.1 J59.1 J66.31 | length 88.9
  TopLayer w0.127: J66.31 56.27,131.818 56.504,131.584 56.504,129.146 59.004,126.646 59.004,70.396 59.875,69.525 70.475,69.525 J59.1
  BottomLayer w0.127: J1.31 56.26,139.948 55.254,138.943 55.254,135.942 56.245,134.952 56.245,132.88 J66.31@56.27,132.855
DAC_OUT_P30: J1.32 J29.1 J61.1 J66.32 | length 69.1
  BottomLayer w0.127: J1.32@57.53,141.465 57.53,136.488 56.524,135.482 56.524,134.037 57.515,133.047 57.515,132.323 57.54,132.298 J66.32 58.4,130.09 58.4,125.676 59.325,124.751 59.325,89.826 63.676,85.475 65.425,85.475 67.316,83.584 68.994,83.584 70.41,85 J61.1
DAC_OUT_P31: J1.33 J31.1 J63.1 J66.33 | length 53.5
  TopLayer w0.127: J66.33 58.979,132.691 58.979,128.871 60.925,126.925 60.925,105.15 62.546,103.529 68.881,103.529 70.41,102 J63.1
  BottomLayer w0.127: J1.33 58.8,143.695 59.054,143.949 59.054,139.3 59.826,138.528 59.826,135.942 58.81,134.927 J66.33 J66.33@58.81,132.855
DAC_OUT_P32: J1.34 J33.1 J65.1 J66.34 | length 30.7
  BottomLayer w0.127: J1.34 60.105,141.435 60.105,138.62 61.096,137.629 61.096,133.246 60.08,132.23 J66.34 60.08,130.644 60.575,130.149 60.575,129.975 60.729,129.821 60.729,126.146 66.25,120.625 70.375,120.625 J65.1
GND: B1.1 B2.1 B3.1 B4.1 B7.1 B8.1 B9.1 J1.17 J1.51 J1.69 J1.70 J66.17 J66.51 J66.69 J66.70 ST2.0 ST2.1 | length 11.4
  BottomLayer w0.127: J1.17 38.48,139.949 37.474,138.943 37.474,135.942 38.49,134.927 J66.17@38.49,132.855
N13V0_SCSI: J1.52 J66.52 | length 11.4
  TopLayer w0.127: J1.52 39.75,143.208 40.766,142.192 40.766,139.192 39.76,138.186 J66.52
P13V0_SCSI: J1.18 J66.18 | length 12.4
  TopLayer w0.127: J1.18 39.75,139.798 37.474,137.522 37.474,136.249 38.744,134.979 38.744,134.322 39.735,133.332 39.735,130.975 J66.18

## Polygon pours and split planes (outlines as drawn)
GND on Signal Layer 1 "L3-No Net" (solid, remove dead copper, pour order 74): -13.16,-11 -13.16,148 85.5,148 85.5,-11
DAC_OUT_N25 on Signal Layer 1 "DAC_OUT_N25_L03_P114" (solid, pour order 114): 65.75,3.75 67.75,5.75 76.75,5.75 78.5,4 78.5,-5 76.5,-7 66.75,-7 65.75,-6
DAC_OUT_N17 on Signal Layer 1 "DAC_OUT_N17_L03_P113" (solid, pour order 113): 41.75,3.75 43.75,5.75 52.75,5.75 54.5,4 54.5,-5 52.5,-7 42.75,-7 41.75,-6
DAC_OUT_N9 on Signal Layer 1 "DAC_OUT_N9_L03_P112" (solid, pour order 112): 17.75,3.75 19.75,5.75 28.75,5.75 30.5,4 30.5,-5 28.5,-7 18.75,-7 17.75,-6
DAC_OUT_N1 on Signal Layer 1 "DAC_OUT_N1_L03_P111" (solid, pour order 111): -6.25,3.75 -4.25,5.75 4.75,5.75 6.5,4 6.5,-5 4.5,-7 -5.25,-7 -6.25,-6
DAC_OUT_N26 on Signal Layer 1 "DAC_OUT_N26_L03_P110" (solid, pour order 110): 65.75,20.75 67.75,22.75 76.75,22.75 78.5,21 78.5,12 76.5,10 66.75,10 65.75,11
DAC_OUT_N18 on Signal Layer 1 "DAC_OUT_N18_L03_P109" (solid, pour order 109): 41.75,20.75 43.75,22.75 52.75,22.75 54.5,21 54.5,12 52.5,10 42.75,10 41.75,11
DAC_OUT_N10 on Signal Layer 1 "DAC_OUT_N10_L03_P108" (solid, pour order 108): 17.75,20.75 19.75,22.75 28.75,22.75 30.5,21 30.5,12 28.5,10 18.75,10 17.75,11
DAC_OUT_N2 on Signal Layer 1 "DAC_OUT_N2_L03_P107" (solid, pour order 107): -6.25,20.75 -4.25,22.75 4.75,22.75 6.5,21 6.5,12 4.5,10 -5.25,10 -6.25,11
DAC_OUT_N27 on Signal Layer 1 "DAC_OUT_N27_L03_P102" (solid, pour order 102): 65.75,37.75 67.75,39.75 76.75,39.75 78.5,38 78.5,29 76.5,27 66.75,27 65.75,28
DAC_OUT_N19 on Signal Layer 1 "DAC_OUT_N19_L03_P101" (solid, pour order 101): 41.75,37.75 43.75,39.75 52.75,39.75 54.5,38 54.5,29 52.5,27 42.75,27 41.75,28
DAC_OUT_N11 on Signal Layer 1 "DAC_OUT_N11_L03_P100" (solid, pour order 100): 17.75,37.75 19.75,39.75 28.75,39.75 30.5,38 30.5,29 28.5,27 18.75,27 17.75,28
DAC_OUT_N3 on Signal Layer 1 "DAC_OUT_N3_L03_P099" (solid, pour order 99): -6.25,37.75 -4.25,39.75 4.75,39.75 6.5,38 6.5,29 4.5,27 -5.25,27 -6.25,28
DAC_OUT_N28 on Signal Layer 1 "DAC_OUT_N28_L03_P098" (solid, pour order 98): 65.75,54.75 67.75,56.75 76.75,56.75 78.5,55 78.5,46 76.5,44 66.75,44 65.75,45
DAC_OUT_N20 on Signal Layer 1 "DAC_OUT_N20_L03_P097" (solid, pour order 97): 41.75,54.75 43.75,56.75 52.75,56.75 54.5,55 54.5,46 52.5,44 42.75,44 41.75,45
DAC_OUT_N12 on Signal Layer 1 "DAC_OUT_N12_L03_P096" (solid, pour order 96): 17.75,54.75 19.75,56.75 28.75,56.75 30.5,55 30.5,46 28.5,44 18.75,44 17.75,45
DAC_OUT_N4 on Signal Layer 1 "DAC_OUT_N4_L03_P095" (solid, pour order 95): -6.25,54.75 -4.25,56.75 4.75,56.75 6.5,55 6.5,46 4.5,44 -5.25,44 -6.25,45
DAC_OUT_N29 on Signal Layer 1 "DAC_OUT_N29_L03_P094" (solid, pour order 94): 65.75,71.75 67.75,73.75 76.75,73.75 78.5,72 78.5,63 76.5,61 66.75,61 65.75,62
DAC_OUT_N21 on Signal Layer 1 "DAC_OUT_N21_L03_P093" (solid, pour order 93): 41.75,71.75 43.75,73.75 52.75,73.75 54.5,72 54.5,63 52.5,61 42.75,61 41.75,62
DAC_OUT_N13 on Signal Layer 1 "DAC_OUT_N13_L03_P092" (solid, pour order 92): 17.75,71.75 19.75,73.75 28.75,73.75 30.5,72 30.5,63 28.5,61 18.75,61 17.75,62
DAC_OUT_N5 on Signal Layer 1 "DAC_OUT_N5_L03_P091" (solid, pour order 91): -6.25,71.75 -4.25,73.75 4.75,73.75 6.5,72 6.5,63 4.5,61 -5.25,61 -6.25,62
DAC_OUT_N30 on Signal Layer 1 "DAC_OUT_N30_L03_P090" (solid, pour order 90): 65.75,88.75 67.75,90.75 76.75,90.75 78.5,89 78.5,80 76.5,78 66.75,78 65.75,79
DAC_OUT_N22 on Signal Layer 1 "DAC_OUT_N22_L03_P089" (solid, pour order 89): 41.75,88.75 43.75,90.75 52.75,90.75 54.5,89 54.5,80 52.5,78 42.75,78 41.75,79
DAC_OUT_N14 on Signal Layer 1 "DAC_OUT_N14_L03_P088" (solid, pour order 88): 17.75,88.75 19.75,90.75 28.75,90.75 30.5,89 30.5,80 28.5,78 18.75,78 17.75,79
DAC_OUT_N6 on Signal Layer 1 "DAC_OUT_N6_L03_P087" (solid, pour order 87): -6.25,88.75 -4.25,90.75 4.75,90.75 6.5,89 6.5,80 4.5,78 -5.25,78 -6.25,79
DAC_OUT_N31 on Signal Layer 1 "DAC_OUT_N31_L03_P086" (solid, pour order 86): 65.75,105.75 67.75,107.75 76.75,107.75 78.5,106 78.5,97 76.5,95 66.75,95 65.75,96
DAC_OUT_N23 on Signal Layer 1 "DAC_OUT_N23_L03_P085" (solid, pour order 85): 41.75,105.75 43.75,107.75 52.75,107.75 54.5,106 54.5,97 52.5,95 42.75,95 41.75,96
DAC_OUT_N15 on Signal Layer 1 "DAC_OUT_N15_L03_P084" (solid, pour order 84): 17.75,105.75 19.75,107.75 28.75,107.75 30.5,106 30.5,97 28.5,95 18.75,95 17.75,96
DAC_OUT_N7 on Signal Layer 1 "DAC_OUT_N7_L03_P083" (solid, pour order 83): -6.25,105.75 -4.25,107.75 4.75,107.75 6.5,106 6.5,97 4.5,95 -5.25,95 -6.25,96
DAC_OUT_N32 on Signal Layer 1 "DAC_OUT_N32_L03_P082" (solid, pour order 82): 65.75,122.75 67.75,124.75 76.75,124.75 78.5,123 78.5,114 76.5,112 66.75,112 65.75,113
DAC_OUT_N24 on Signal Layer 1 "DAC_OUT_N24_L03_P081" (solid, pour order 81): 41.75,122.75 43.75,124.75 52.75,124.75 54.5,123 54.5,114 52.5,112 42.75,112 41.75,113
DAC_OUT_N16 on Signal Layer 1 "DAC_OUT_N16_L03_P080" (solid, pour order 80): 17.75,122.75 19.75,124.75 28.75,124.75 30.5,123 30.5,114 28.5,112 18.75,112 17.75,113
DAC_OUT_N8 on Signal Layer 1 "DAC_OUT_N8_L03_P079" (solid, pour order 79): -6.25,122.75 -4.25,124.75 4.75,124.75 6.5,123 6.5,114 4.5,112 -5.25,112 -6.25,113
no net on Signal Layer 1 "L3-No Net" (solid, remove dead copper, shelved, pour order 8): 119.17,173.92 151.17,173.92 150.979,173.729 150.979,74.17 119.42,74.17 119.17,73.92
GND on BottomLayer "L3-No Net" (solid, remove dead copper, pour order 76): -13.25,-11 -13.25,148 85.25,148 85.25,-11
no net on BottomLayer "L3-No Net" (solid, remove dead copper, shelved, pour order 16): 119.277,174.17 119.527,173.92 151.027,173.92 151.027,73.67 151.277,73.42 151.027,73.67 119.277,73.67
GND on TopLayer "L3-No Net" (solid, remove dead copper, pour order 78): -13.25,-11 -13.16,148 85.5,148 85.75,-11
no net on TopLayer "L3-No Net" (solid, remove dead copper, shelved, pour order 24): 119.42,173.42 150.979,173.42 151.229,173.67 151.42,173.479 151.42,73.17 118.92,73.17
GND on Internal Plane 2 (split plane): 85.66,-10.82 -13.32,-10.82 -13.32,148.16 85.66,148.16

## Silkscreen, mask and mechanical layers (free items; w line width, h text height)
TopOverlay:
  circle w0.254: c-8.318,145.109 r2.857
  circle w0.254: c80.582,145.109 r2.857
  text "OUT16" at 25.75,124.5 h2.54
  text "OUT24" at 52.572,123.822 h2.54
  text "OUT32" at 76.572,123.822 h2.54
  text "OUT8" at 4.536,123.786 h2.54
  text "OUT23" at 52.699,106.949 h2.54
  text "OUT31" at 76.699,106.949 h2.54
  text "OUT7" at 4.663,106.913 h2.54
  text "OUT15" at 28.663,106.913 h2.54
  text "OUT22" at 52.699,89.949 h2.54
  text "OUT30" at 76.699,89.949 h2.54
  text "OUT6" at 4.663,89.913 h2.54
  text "OUT14" at 28.663,89.913 h2.54
  text "OUT21" at 52.572,72.822 h2.54
  text "OUT29" at 76.572,72.822 h2.54
  text "OUT5" at 4.536,72.786 h2.54
  text "OUT13" at 28.536,72.786 h2.54
  text "OUT20" at 52.572,55.822 h2.54
  text "OUT28" at 76.572,55.822 h2.54
  text "OUT4" at 4.536,55.786 h2.54
  text "OUT12" at 28.536,55.786 h2.54
  text "OUT19" at 52.536,38.786 h2.54
  text "OUT27" at 76.536,38.786 h2.54
  text "OUT3" at 4.5,38.75 h2.54
  text "OUT11" at 28.5,38.75 h2.54
  text "OUT18" at 52.572,21.822 h2.54
  text "OUT26" at 76.572,21.822 h2.54
  text "OUT2" at 4.536,21.786 h2.54
  text "OUT10" at 28.536,21.786 h2.54
  text "HD68 to  BNC adapter v1.0" at -10.5,12 h2.03 r90
  text "OUT17" at 52.536,4.786 h2.54
  text "OUT25" at 76.536,4.786 h2.54
  text "OUT1" at 4.5,4.75 h2.54
  text "OUT9" at 28.5,4.75 h2.54
Mechanical1:
  the board outline again, w0.1
Mechanical4:
  lines w0.254: -8.5,119 0,119 ; 0,-5.95 0,119 ; 0,0 80,0 ; 0,17 82,17 ; 0,34 82,34 ; 0,51 83,51 ; 0,68 84,68 ; 0,85 80,85 ; 0,102 82,102 ; 0,127.975 0,119 ; 24,0 24,126 ; 48,0 48,126 ; 72,0 72,126 ; 81,119 0,119
Mechanical8:
  lines w0.1: -16.055,68.67 36.17,68.67 ; -14.592,145.109 -8.318,145.109 -8.318,-16.689 ; -14.033,-7.769 86.932,-7.769 ; -13.83,-11.33 86.17,148.67 ; -13.83,145.109 -13.83,148.67 ; -12.932,87.772 cw(c-10.764,89.94) -13.83,89.94 -13.83,148.67 ; 36.17,-11.33 36.17,68.67 ; 36.17,139.07 36.17,68.67 ; 80.582,-15.242 80.582,145.109 ; 86.17,-7.769 86.17,-11.33 -13.83,148.67 ; 92.154,68.67 36.17,68.67
Mechanical13:
  lines w0.254: -23.58,-20.755 -23.58,166.745 95.92,166.745 95.92,-20.755 -23.58,-20.755

## Text inside footprints (layer, text, board x,y; h text height)
J1: TopOverlay "36" at 17.62,145.675 h1 r180; TopOverlay "1" at 16.72,143.875 h1 r180; TopOverlay "2" at 17.62,141.925 h1 r180; TopOverlay "35" at 16.72,147.825 h1 r180; TopOverlay "34" at 63.57,141.99 h1 r180; TopOverlay "67" at 62.47,147.69 h1 r180; TopOverlay "68" at 63.37,145.94 h1 r180; TopOverlay "33" at 62.77,143.94 h1 r180; Mechanical14 "36" at 17.62,145.675 h1.02 r180; Mechanical14 "1" at 16.72,143.875 h1.02 r180; Mechanical14 "2" at 17.62,141.925 h1.02 r180; Mechanical14 "35" at 16.72,147.825 h1.02 r180; Mechanical14 "34" at 63.57,141.99 h1.02 r180; Mechanical14 "67" at 62.47,147.69 h1.02 r180; Mechanical14 "68" at 63.37,145.94 h1.02 r180; Mechanical14 "33" at 62.77,143.94 h1.02 r180; Mechanical8 "PCB Edge" at 43.44,150.53 h1.2 r180
J66: TopOverlay "35" at 17.06,138.413 h1.2 r180; TopOverlay "1" at 16.535,133.363 h1.2 r180; TopOverlay "2" at 17.851,130.301 h1.2 r180; TopOverlay "68" at 64.232,135.563 h1.2 r180; Mechanical14 "35" at 17.06,138.413 h1.2 r180; Mechanical14 "1" at 16.535,133.363 h1.2 r180; Mechanical14 "2" at 17.851,130.301 h1.2 r180; Mechanical14 "68" at 64.232,135.563 h1.2 r180